# Altium PCB TwoFoot_PCB_m4T1Top2.PcbDoc (part 4 of 9) (continued)
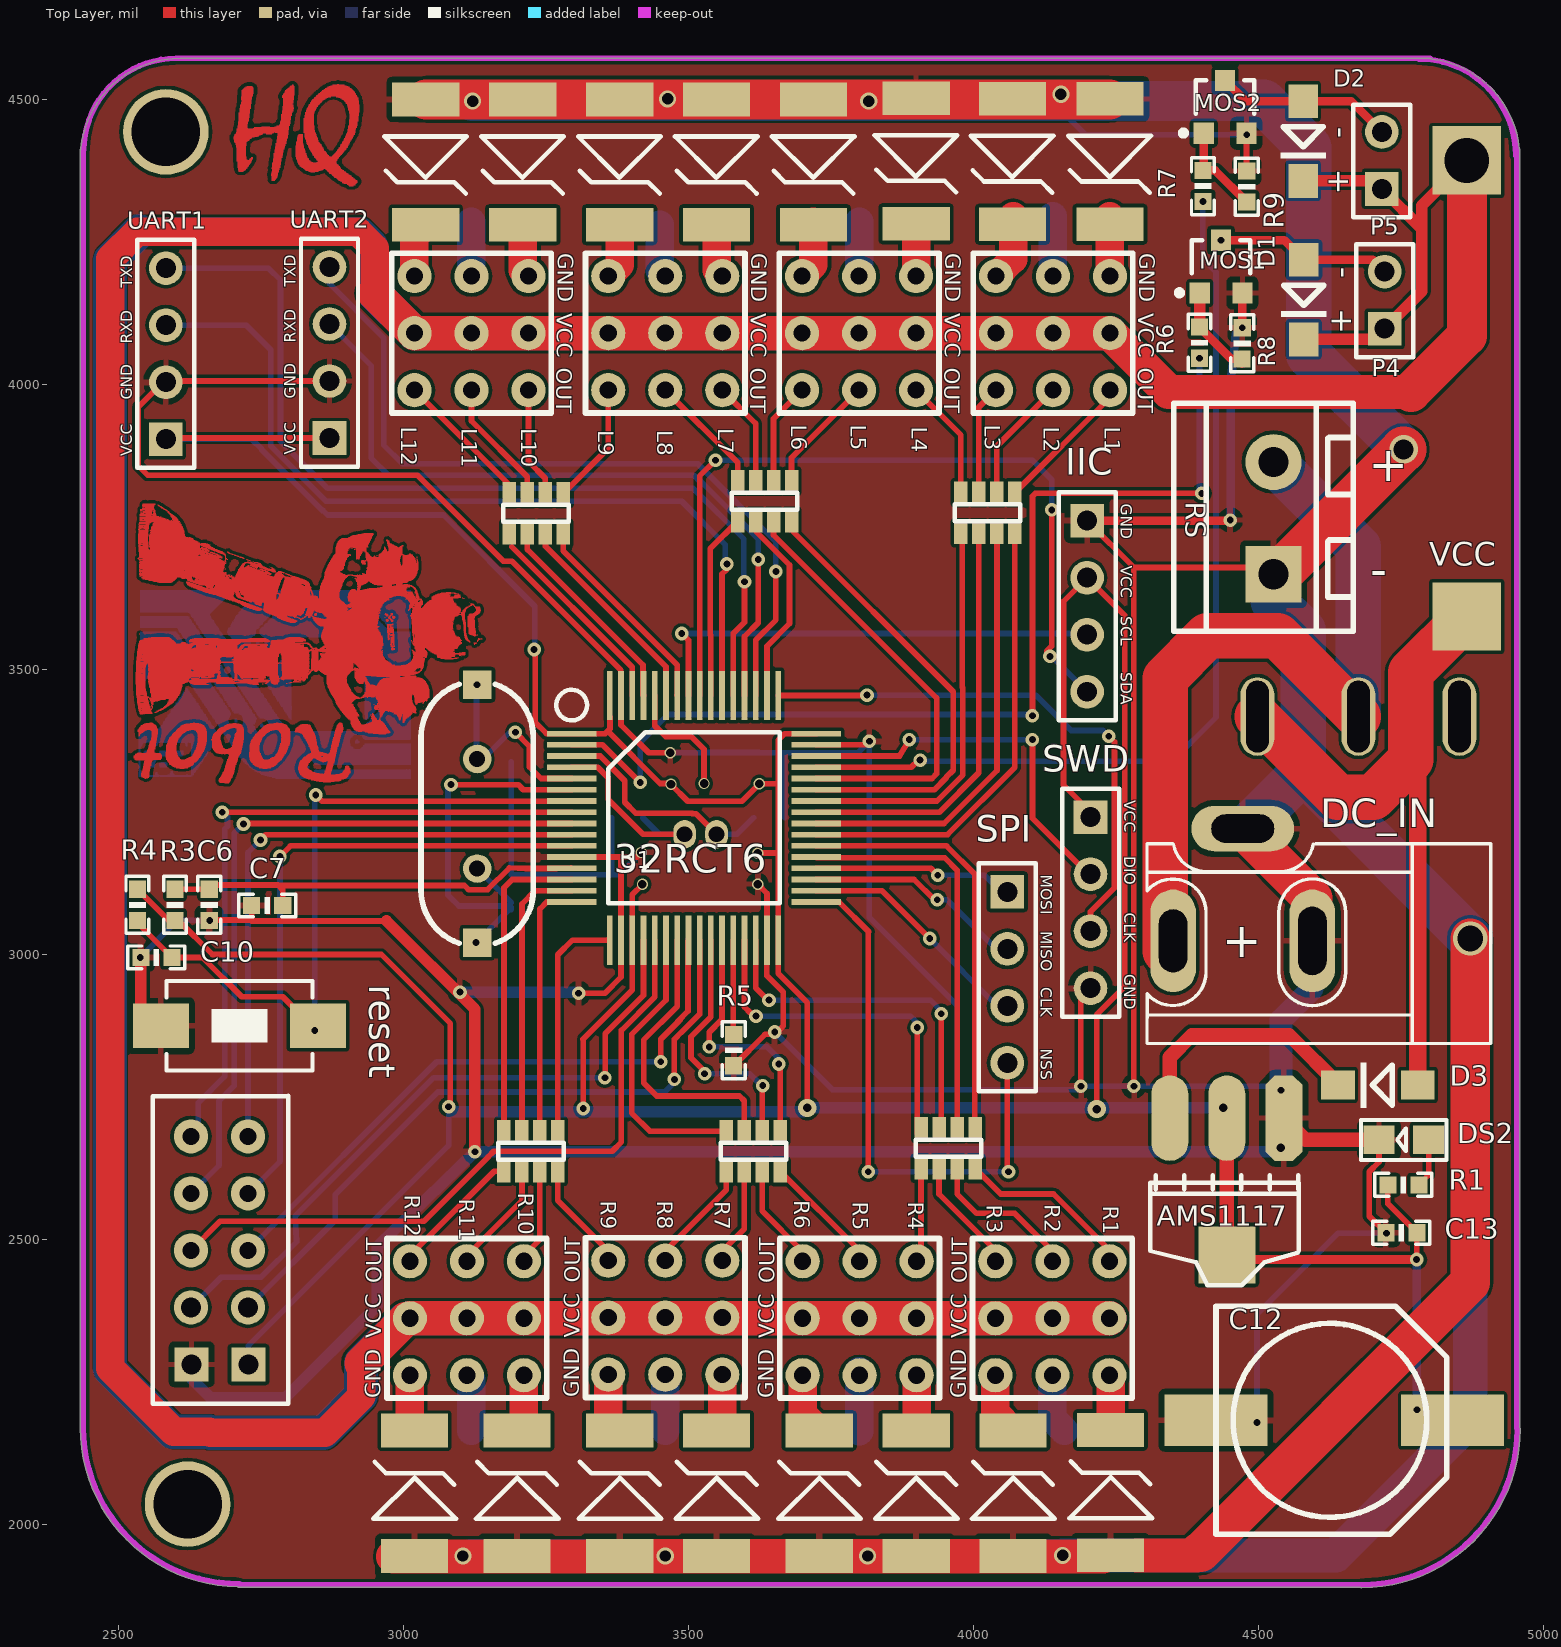
[diagram p0: Top Layer view]
## Nets (pads, with @x,y where several pads share a name; then routed paths per layer and width w, separated by ;. In a path a pad name is that pad's centre, name@x,y a point inside that pad or via, vN(x,y) a via of type N, cw(c..) or ccw(c..) an arc to the next point about the centre after c; other vN are vias at no path point) (continued)
2800.2,3591.2 ; 2800.2,3594.2 2800.2,3662 ; 2800.2,3665.6 2800.2,3666.8 ; 2800.8,3476 2800.8,3476.6 ; 2800.8,3482.6 2800.8,3556.4 ; 2800.8,3582.8 2800.8,3590.6 ; 2800.8,3594.2 2800.8,3600.8 ; 2800.8,3601.4 2800.8,3602 ; 2800.8,3603.2 2800.8,3662 ; 2800.8,3665 2800.8,3666.2 ; 2801.4,3476 2801.4,3476.6 ; 2801.4,3483.2 2801.4,3556.4 ; 2801.4,3582.8 2801.4,3590.6 ; 2801.4,3594.2 2801.4,3601.4 ; 2801.4,3602 2801.4,3662 ; 2801.4,3665 2801.4,3666.2 ; 2802,3476 2802,3476.6 ; 2802,3483.2 2802,3556.4 ; 2802,3582.8 2802,3590 ; 2802,3593.6 2802,3602.6 ; 2802,3603.2 2802,3624.2 ; 2802,3624.8 2802,3661.4 ; 2802,3664.4 2802,3665.6 ; 2802.6,3483.2 2802.6,3556.4 ; 2802.6,3582.8 2802.6,3590 ; 2802.6,3593.6 2802.6,3605 ; 2802.6,3605.6 2802.6,3623.6 ; 2802.6,3624.2 2802.6,3626 ; 2802.6,3626.6 2802.6,3660.8 ; 2802.6,3664.4 2802.6,3665.6 ; 2803.2,3476.6 2803.2,3477.2 ; 2803.2,3483.2 2803.2,3556.4 ; 2803.2,3582.2 2803.2,3590 ; 2803.2,3593.6 2803.2,3605 ; 2803.2,3605.6 2803.2,3660.8 ; 2803.2,3663.8 2803.2,3665 ; 2803.8,3476.6 2803.8,3477.2 ; 2803.8,3483.2 2803.8,3556.4 ; 2803.8,3582.2 2803.8,3589.4 ; 2803.8,3593 2803.8,3605.6 ; 2803.8,3606.8 2803.8,3608 ; 2803.8,3608.6 2803.8,3623 ; 2803.8,3623.6 2803.8,3625.4 ; 2803.8,3626 2803.8,3660.8 ; 2803.8,3663.8 2803.8,3665 ; 2804.4,3476.6 2804.4,3477.2 ; 2804.4,3483.2 2804.4,3556.4 ; 2804.4,3582.2 2804.4,3589.4 ; 2804.4,3593 2804.4,3606.8 ; 2804.4,3608 2804.4,3625.4 ; 2804.4,3626 2804.4,3661.4 ; 2804.4,3663.2 2804.4,3664.4 ; 2805,3476.6 2805,3477.2 ; 2805,3482.6 2805,3556.4 ; 2805,3582.2 2805,3589.4 ; 2805,3593.6 2805,3607.4 ; 2805,3608 2805,3624.8 ; 2805,3625.4 2805,3661.4 ; 2805,3663.2 2805,3664.4 ; 2805.6,3477.2 2805.6,3477.8 ; 2805.6,3483.2 2805.6,3556.4 ; 2805.6,3582.2 2805.6,3588.8 ; 2805.6,3594.2 2805.6,3619.4 ; 2805.6,3620 2805.6,3621.2 ; 2805.6,3621.8 2805.6,3660.8 ; 2805.6,3662.6 2805.6,3664.4 ; 2806.2,3477.2 2806.2,3477.8 ; 2806.2,3483.2 2806.2,3556.4 ; 2806.2,3581.6 2806.2,3582.8 ; 2806.2,3583.4 2806.2,3588.8 ; 2806.2,3593 2806.2,3609.8 ; 2806.2,3610.4 2806.2,3622.4 ; 2806.2,3623 2806.2,3627.2 ; 2806.2,3627.8 2806.2,3660.8 ; 2806.2,3662.6 2806.2,3663.8 ; 2806.8,3477.2 2806.8,3477.8 ; 2806.8,3483.2 2806.8,3556.4 ; 2806.8,3581.6 2806.8,3582.8 ; 2806.8,3583.4 2806.8,3588.2 ; 2806.8,3593 2806.8,3621.8 ; 2806.8,3622.4 2806.8,3660.8 ; 2806.8,3662 2806.8,3663.8 ; 2807.4,3477.2 2807.4,3477.8 ; 2807.4,3483.2 2807.4,3556.4 ; 2807.4,3581.6 2807.4,3588.2 ; 2807.4,3593.6 2807.4,3612.2 ; 2807.4,3612.8 2807.4,3615.8 ; 2807.4,3616.4 2807.4,3620 ; 2807.4,3620.6 2807.4,3621.8 ; 2807.4,3622.4 2807.4,3624.2 ; 2807.4,3624.8 2807.4,3661.4 ; 2807.4,3662 2807.4,3663.8 ; 2808,3477.2 2808,3478.4 ; 2808,3483.2 2808,3548 ; 2808,3548.6 2808,3556.4 ; 2808,3581.6 2808,3588.2 ; 2808,3593.6 2808,3614 ; 2808,3614.6 2808,3624.2 ; 2808,3624.8 2808,3661.4 ; 2808,3662 2808,3663.2 ; 2808.6,3477.2 2808.6,3479 ; 2808.6,3483.2 2808.6,3556.4 ; 2808.6,3581.6 2808.6,3587.6 ; 2808.6,3592.4 2808.6,3615.2 ; 2808.6,3615.8 2808.6,3621.2 ; 2808.6,3621.8 2808.6,3663.2 ; 2809.2,3477.2 2809.2,3479.6 ; 2809.2,3483.2 2809.2,3556.4 ; 2809.2,3582.2 2809.2,3587.6 ; 2809.2,3593 2809.2,3616.4 ; 2809.2,3617 2809.2,3663.2 ; 2809.8,3477.2 2809.8,3480.2 ; 2809.8,3483.2 2809.8,3547.4 ; 2809.8,3548 2809.8,3556.4 ; 2809.8,3582.2 2809.8,3587.6 ; 2809.8,3591.2 2809.8,3591.8 ; 2809.8,3593 2809.8,3617.6 ; 2809.8,3618.2 2809.8,3620.6 ; 2809.8,3621.2 2809.8,3663.2 ; 2810.4,3477.2 2810.4,3482 ; 2810.4,3483.2 2810.4,3486.8 ; 2810.4,3487.4 2810.4,3542 ; 2810.4,3542.6 2810.4,3544.4 ; 2810.4,3545 2810.4,3546.8 ; 2810.4,3548.6 2810.4,3556.4 ; 2810.4,3582.2 2810.4,3583.4 ; 2810.4,3584 2810.4,3587 ; 2810.4,3592.4 2810.4,3663.2 ; 2811,3477.2 2811,3483.2 ; 2811,3483.8 2811,3534.8 ; 2811,3535.4 2811,3540.2 ; 2811,3540.8 2811,3541.4 ; 2811,3542 2811,3546.8 ; 2811,3548.6 2811,3556.4 ; 2811,3582.2 2811,3582.8 ; 2811,3583.4 2811,3587 ; 2811,3591.2 2811,3591.8 ; 2811,3592.4 2811,3620.6 ; 2811,3621.2 2811,3662.6 ; 2811.6,3477.2 2811.6,3539.6 ; 2811.6,3540.2 2811.6,3546.8 ; 2811.6,3548.6 2811.6,3556.4 ; 2811.6,3582.8 2811.6,3586.4 ; 2811.6,3592.4 2811.6,3662.6 ; 2812.2,3477.2 2812.2,3479.6 ; 2812.2,3480.2 2812.2,3485.6 ; 2812.2,3486.8 2812.2,3539 ; 2812.2,3539.6 2812.2,3546.8 ; 2812.2,3548.6 2812.2,3556.4 ; 2812.2,3583.4 2812.2,3586.4 ; 2812.2,3591.8 2812.2,3662.6 ; 2812.8,3477.2 2812.8,3486.2 ; 2812.8,3486.8 2812.8,3533.6 ; 2812.8,3534.2 2812.8,3536 ; 2812.8,3536.6 2812.8,3546.8 ; 2812.8,3549.2 2812.8,3556.4 ; 2812.8,3583.4 2812.8,3586.4 ; 2812.8,3591.8 2812.8,3592.4 ; 2812.8,3593 2812.8,3625.4 ; 2812.8,3626 2812.8,3662.6 ; 2813.4,3477.2 2813.4,3486.2 ; 2813.4,3486.8 2813.4,3544.4 ; 2813.4,3545 2813.4,3546.8 ; 2813.4,3548.6 2813.4,3556.4 ; 2813.4,3584 2813.4,3585.8 ; 2813.4,3591.8 2813.4,3592.4 ; 2813.4,3594.2 2813.4,3628.4 ; 2813.4,3630.2 2813.4,3662 ; 2814,3477.2 2814,3479.6 ; 2814,3480.8 2814,3486.2 ; 2814,3486.8 2814,3527.6 ; 2814,3528.2 2814,3546.8 ; 2814,3548.6 2814,3556.4 ; 2814,3584.6 2814,3585.2 ; 2814,3591.2 2814,3592.4 ; 2814,3596 2814,3662 ; 2814.6,3477.2 2814.6,3479 ; 2814.6,3480.8 2814.6,3485.6 ; 2814.6,3486.8 2814.6,3546.8 ; 2814.6,3548.6 2814.6,3556.4 ; 2814.6,3591.2 2814.6,3591.8 ; 2814.6,3596 2814.6,3632 ; 2814.6,3632.6 2814.6,3662 ; 2815.2,3477.2 2815.2,3478.4 ; 2815.2,3480.8 2815.2,3486.2 ; 2815.2,3486.8 2815.2,3546.8 ; 2815.2,3548.6 2815.2,3556.4 ; 2815.2,3590.6 2815.2,3591.8 ; 2815.2,3596 2815.2,3643.4 ; 2815.2,3644 2815.2,3661.4 ; 2815.8,3477.2 2815.8,3478.4 ; 2815.8,3481.4 2815.8,3486.2 ; 2815.8,3486.8 2815.8,3546.8 ; 2815.8,3548.6 2815.8,3556.4 ; 2815.8,3590.6 2815.8,3591.8 ; 2815.8,3596 2815.8,3636.8 ; 2815.8,3637.4 2815.8,3647 ; 2815.8,3647.6 2815.8,3648.2 ; 2815.8,3648.8 2815.8,3650.6 ; 2815.8,3651.2 2815.8,3661.4 ; 2816.4,3477.2 2816.4,3479 ; 2816.4,3481.4 2816.4,3486.2 ; 2816.4,3486.8 2816.4,3546.8 ; 2816.4,3548.6 2816.4,3556.4 ; 2816.4,3590.6 2816.4,3591.2 ; 2816.4,3595.4 2816.4,3661.4 ; 2817,3477.2 2817,3479.6 ; 2817,3481.4 2817,3486.2 ; 2817,3486.8 2817,3546.8 ; 2817,3548.6 2817,3556.4 ; 2817,3590 2817,3591.2 ; 2817,3595.4 2817,3646.4 ; 2817,3647.6 2817,3660.8 ; 2817.6,3477.2 2817.6,3477.8 ; 2817.6,3479 2817.6,3479.6 ; 2817.6,3480.8 2817.6,3486.2 ; 2817.6,3487.4 2817.6,3543.2 ; 2817.6,3544.4 2817.6,3546.8 ; 2817.6,3548.6 2817.6,3556.4 ; 2817.6,3590 2817.6,3591.2 ; 2817.6,3594.8 2817.6,3655.4 ; 2817.6,3656 2817.6,3660.8 ; 2818.2,3477.2 2818.2,3477.8 ; 2818.2,3479.6 2818.2,3486.2 ; 2818.2,3487.4 2818.2,3492.2 ; 2818.2,3492.8 2818.2,3543.2 ; 2818.2,3544.4 2818.2,3546.8 ; 2818.2,3548.6 2818.2,3556.4 ; 2818.2,3590 2818.2,3590.6 ; 2818.2,3595.4 2818.2,3660.8 ; 2818.8,3477.2 2818.8,3477.8 ; 2818.8,3479.6 2818.8,3486.2 ; 2818.8,3487.4 2818.8,3543.2 ; 2818.8,3545 2818.8,3546.8 ; 2818.8,3548.6 2818.8,3556.4 ; 2818.8,3589.4 2818.8,3590.6 ; 2818.8,3594.8 2818.8,3650 ; 2818.8,3651.8 2818.8,3660.2 ; 2819.4,3477.2 2819.4,3477.8 ; 2819.4,3479.6 2819.4,3486.2 ; 2819.4,3487.4 2819.4,3543.2 ; 2819.4,3545 2819.4,3546.8 ; 2819.4,3548.6 2819.4,3556.4 ; 2819.4,3589.4 2819.4,3590 ; 2819.4,3594.2 2819.4,3650 ; 2819.4,3651.8 2819.4,3660.2 ; 2820,3477.8 2820,3478.4 ; 2820,3480.2 2820,3486.2 ; 2820,3487.4 2820,3543.2 ; 2820,3544.4 2820,3546.8 ; 2820,3548.6 2820,3555.8 ; 2820,3594.2 2820,3650 ; 2820,3651.2 2820,3660.2 ; 2820.6,3477.8 2820.6,3478.4 ; 2820.6,3480.2 2820.6,3486.2 ; 2820.6,3487.4 2820.6,3543.2 ; 2820.6,3545 2820.6,3546.8 ; 2820.6,3548.6 2820.6,3555.8 ; 2820.6,3587.6 2820.6,3588.2 ; 2820.6,3594.2 2820.6,3649.4 ; 2820.6,3651.2 2820.6,3654.8 ; 2820.6,3655.4 2820.6,3659.6 ; 2821.2,3477.8 2821.2,3478.4 ; 2821.2,3480.8 2821.2,3485.6 ; 2821.2,3487.4 2821.2,3543.2 ; 2821.2,3545 2821.2,3546.8 ; 2821.2,3548.6 2821.2,3555.8 ; 2821.2,3587.6 2821.2,3588.2 ; 2821.2,3594.8 2821.2,3642.2 ; 2821.2,3643.4 2821.2,3649.4 ; 2821.2,3651.2 2821.2,3654.8 ; 2821.2,3655.4 2821.2,3659.6 ; 2821.8,3480.8 2821.8,3485.6 ; 2821.8,3488 2821.8,3543.2 ; 2821.8,3545 2821.8,3546.8 ; 2821.8,3548.6 2821.8,3555.8 ; 2821.8,3587.6 2821.8,3588.8 ; 2821.8,3595.4 2821.8,3642.2 ; 2821.8,3643.4 2821.8,3648.8 ; 2821.8,3650.6 2821.8,3654.2 ; 2821.8,3654.8 2821.8,3659.6 ; 2822.4,3481.4 2822.4,3485.6 ; 2822.4,3487.4 2822.4,3543.2 ; 2822.4,3545 2822.4,3546.8 ; 2822.4,3548.6 2822.4,3555.8 ; 2822.4,3588.2 2822.4,3589.4 ; 2822.4,3596 2822.4,3642.2 ; 2822.4,3642.8 2822.4,3648.8 ; 2822.4,3650.6 2822.4,3654.2 ; 2822.4,3654.8 2822.4,3656.6 ; 2822.4,3657.2 2822.4,3659 ; 2823,3481.4 2823,3543.2 ; 2823,3545 2823,3546.8 ; 2823,3548.6 2823,3555.8 ; 2823,3588.2 2823,3589.4 ; 2823,3597.2 2823,3642.2 ; 2823,3643.4 2823,3648.8 ; 2823,3650.6 2823,3656 ; 2823,3657.2 2823,3659 ; 2823.6,3481.4 2823.6,3543.2 ; 2823.6,3545 2823.6,3546.8 ; 2823.6,3548.6 2823.6,3555.8 ; 2823.6,3588.8 2823.6,3590 ; 2823.6,3597.8 2823.6,3642.8 ; 2823.6,3643.4 2823.6,3648.2 ; 2823.6,3650 2823.6,3656 ; 2823.6,3656.6 2823.6,3658.4 ; 2824.2,3481.4 2824.2,3543.2 ; 2824.2,3545 2824.2,3546.8 ; 2824.2,3548.6 2824.2,3555.2 ; 2824.2,3588.8 2824.2,3590.6 ; 2824.2,3597.8 2824.2,3642.8 ; 2824.2,3643.4 2824.2,3647.6 ; 2824.2,3650 2824.2,3654.8 ; 2824.2,3656 2824.2,3657.2 ; 2824.2,3657.8 2824.2,3658.4 ; 2824.8,3479.6 2824.8,3480.2 ; 2824.8,3481.4 2824.8,3543.2 ; 2824.8,3544.4 2824.8,3546.8 ; 2824.8,3549.2 2824.8,3555.2 ; 2824.8,3589.4 2824.8,3590.6 ; 2824.8,3598.4 2824.8,3642.2 ; 2824.8,3642.8 2824.8,3646.4 ; 2824.8,3650 2824.8,3658.4 ; 2825.4,3479 2825.4,3479.6 ; 2825.4,3481.4 2825.4,3543.2 ; 2825.4,3545 2825.4,3546.8 ; 2825.4,3549.2 2825.4,3555.2 ; 2825.4,3590 2825.4,3591.2 ; 2825.4,3599 2825.4,3642.2 ; 2825.4,3642.8 2825.4,3647 ; 2825.4,3649.4 2825.4,3657.8 ; 2826,3479 2826,3480.2 ; 2826,3481.4 2826,3539.6 ; 2826,3545 2826,3546.8 ; 2826,3549.2 2826,3554.6 ; 2826,3590 2826,3591.2 ; 2826,3602.6 2826,3642.2 ; 2826,3642.8 2826,3646.4 ; 2826,3649.4 2826,3657.8 ; 2826.6,3479.6 2826.6,3539 ; 2826.6,3545 2826.6,3546.8 ; 2826.6,3549.2 2826.6,3551.6 ; 2826.6,3552.2 2826.6,3554 ; 2826.6,3590.6 2826.6,3591.2 ; 2826.6,3604.4 2826.6,3641.6 ; 2826.6,3642.2 2826.6,3646.4 ; 2826.6,3649.4 2826.6,3657.2 ; 2827.2,3480.2 2827.2,3539 ; 2827.2,3545 2827.2,3546.8 ; 2827.2,3549.2 2827.2,3553.4 ; 2827.2,3591.2 2827.2,3592.4 ; 2827.2,3604.4 2827.2,3641.6 ; 2827.2,3642.2 2827.2,3646.4 ; 2827.2,3648.8 2827.2,3657.2 ; 2827.8,3480.8 2827.8,3539 ; 2827.8,3545 2827.8,3546.8 ; 2827.8,3549.2 2827.8,3553.4 ; 2827.8,3591.2 2827.8,3592.4 ; 2827.8,3603.2 2827.8,3603.8 ; 2827.8,3605 2827.8,3641 ; 2827.8,3641.6 2827.8,3645.8 ; 2827.8,3648.8 2827.8,3656.6 ; 2828.4,3481.4 2828.4,3539 ; 2828.4,3545 2828.4,3546.8 ; 2828.4,3549.2 2828.4,3552.8 ; 2828.4,3591.8 2828.4,3593 ; 2828.4,3606.8 2828.4,3608 ; 2828.4,3609.2 2828.4,3641 ; 2828.4,3641.6 2828.4,3645.8 ; 2828.4,3648.8 2828.4,3656.6 ; 2829,3482 2829,3539 ; 2829,3545 2829,3546.8 ; 2829,3549.2 2829,3552.2 ; 2829,3591.8 2829,3593.6 ; 2829,3608 2829,3609.2 ; 2829,3610.4 2829,3641 ; 2829,3641.6 2829,3647.6 ; 2829,3648.2 2829,3656.6 ; 2829.6,3483.2 2829.6,3539 ; 2829.6,3545 2829.6,3546.8 ; 2829.6,3549.8 2829.6,3551 ; 2829.6,3592.4 2829.6,3593.6 ; 2829.6,3596 2829.6,3596.6 ; 2829.6,3608.6 2829.6,3609.2 ; 2829.6,3610.4 2829.6,3640.4 ; 2829.6,3641 2829.6,3654.2 ; 2829.6,3654.8 2829.6,3656 ; 2830.2,3484.4 2830.2,3539 ; 2830.2,3545 2830.2,3546.8 ; 2830.2,3593 2830.2,3594.2 ; 2830.2,3595.4 2830.2,3597.8 ; 2830.2,3609.8 2830.2,3611 ; 2830.2,3611.6 2830.2,3614 ; 2830.2,3614.6 2830.2,3640.4 ; 2830.2,3641 2830.2,3653.6 ; 2830.2,3654.2 2830.2,3655.4 ; 2830.8,3484.4 2830.8,3539 ; 2830.8,3545 2830.8,3546.8 ; 2830.8,3593 2830.8,3599.6 ; 2830.8,3608.6 2830.8,3609.8 ; 2830.8,3611.6 2830.8,3612.2 ; 2830.8,3612.8 2830.8,3613.4 ; 2830.8,3615.8 2830.8,3639.8 ; 2830.8,3641 2830.8,3653 ; 2830.8,3654.2 2830.8,3655.4 ; 2831.4,3484.4 2831.4,3539 ; 2831.4,3545 2831.4,3546.8 ; 2831.4,3595.4 2831.4,3601.4 ; 2831.4,3608 2831.4,3608.6 ; 2831.4,3609.8 2831.4,3615.2 ; 2831.4,3616.4 2831.4,3639.8 ; 2831.4,3640.4 2831.4,3654.8 ; 2832,3484.4 2832,3539 ; 2832,3545 2832,3546.8 ; 2832,3595.4 2832,3603.2 ; 2832,3608 2832,3608.6 ; 2832,3609.2 2832,3611 ; 2832,3612.2 2832,3614 ; 2832,3614.6 2832,3639.8 ; 2832,3640.4 2832,3654.8 ; 2832.6,3485 2832.6,3538.4 ; 2832.6,3545 2832.6,3546.8 ; 2832.6,3595.4 2832.6,3605 ; 2832.6,3608.6 2832.6,3609.2 ; 2832.6,3611 2832.6,3619.4 ; 2832.6,3620.6 2832.6,3639.2 ; 2832.6,3639.8 2832.6,3654.2 ; 2833.2,3487.4 2833.2,3492.8 ; 2833.2,3493.4 2833.2,3537.2 ; 2833.2,3544.4 2833.2,3546.8 ; 2833.2,3594.2 2833.2,3606.8 ; 2833.2,3610.4 2833.2,3619.4 ; 2833.2,3621.8 2833.2,3639.2 ; 2833.2,3639.8 2833.2,3653.6 ; 2833.8,3489.8 2833.8,3492.8 ; 2833.8,3494.6 2833.8,3536 ; 2833.8,3544.4 2833.8,3546.8 ; 2833.8,3594.2 2833.8,3608 ; 2833.8,3611.6 2833.8,3615.8 ; 2833.8,3616.4 2833.8,3617.6 ; 2833.8,3618.2 2833.8,3621.8 ; 2833.8,3622.4 2833.8,3638.6 ; 2833.8,3639.8 2833.8,3653.6 ; 2834.4,3490.4 2834.4,3493.4 ; 2834.4,3495.8 2834.4,3534.8 ; 2834.4,3544.4 2834.4,3546.2 ; 2834.4,3594.8 2834.4,3609.8 ; 2834.4,3612.8 2834.4,3638.6 ; 2834.4,3639.2 2834.4,3653 ; 2835,3491 2835,3494 ; 2835,3497 2835,3501.2 ; 2835,3503.6 2835,3508.4 ; 2835,3509.6 2835,3514.4 ; 2835,3516.2 2835,3520.4 ; 2835,3522.2 2835,3527 ; 2835,3529.4 2835,3533.6 ; 2835,3543.8 2835,3546.2 ; 2835,3591.2 2835,3593 ; 2835,3594.2 2835,3611.6 ; 2835,3613.4 2835,3624.8 ; 2835,3627.8 2835,3638 ; 2835,3639.2 2835,3648.8 ; 2835,3649.4 2835,3652.4 ; 2835.6,3491.6 2835.6,3494.6 ; 2835.6,3498.2 2835.6,3501.2 ; 2835.6,3504.2 2835.6,3507.8 ; 2835.6,3510.2 2835.6,3514.4 ; 2835.6,3516.2 2835.6,3520.4 ; 2835.6,3522.8 2835.6,3526.4 ; 2835.6,3530 2835.6,3532.4 ; 2835.6,3543.2 2835.6,3545.6 ; 2835.6,3591.2 2835.6,3593.6 ; 2835.6,3594.2 2835.6,3612.8 ; 2835.6,3615.2 2835.6,3627.2 ; 2835.6,3629 2835.6,3638 ; 2835.6,3638.6 2835.6,3648.8 ; 2835.6,3649.4 2835.6,3651.2 ; 2836.2,3492.2 2836.2,3495.8 ; 2836.2,3509 2836.2,3509.6 ; 2836.2,3531.8 2836.2,3533.6 ; 2836.2,3542.6 2836.2,3545.6 ; 2836.2,3590.6 2836.2,3614.6 ; 2836.2,3616.4 2836.2,3637.4 ; 2836.2,3638.6 2836.2,3645.8 ; 2836.2,3647 2836.2,3650 ; 2836.8,3493.4 2836.8,3496.4 ; 2836.8,3532.4 2836.8,3534.2 ; 2836.8,3541.4 2836.8,3544.4 ; 2836.8,3591.2 2836.8,3616.4 ; 2836.8,3618.2 2836.8,3627.8 ; 2836.8,3629 2836.8,3632 ; 2836.8,3638.6 2836.8,3645.8 ; 2837.4,3494 2837.4,3497 ; 2837.4,3499.4 2837.4,3500 ; 2837.4,3532.4 2837.4,3534.8 ; 2837.4,3540.8 2837.4,3543.8 ; 2837.4,3591.2 2837.4,3618.2 ; 2837.4,3619.4 2837.4,3629 ; 2837.4,3638 2837.4,3645.8 ; 2838,3494.6 2838,3498.2 ; 2838,3533 2838,3534.8 ; 2838,3540.2 2838,3543.2 ; 2838,3593.6 2838,3620 ; 2838,3621.2 2838,3622.4 ; 2838,3623 2838,3629 ; 2838,3638 2838,3645.2 ; 2838.6,3495.8 2838.6,3498.8 ; 2838.6,3533 2838.6,3535.4 ; 2838.6,3539.6 2838.6,3542 ; 2838.6,3593 2838.6,3622.4 ; 2838.6,3623 2838.6,3629.6 ; 2838.6,3637.4 2838.6,3638 ; 2838.6,3638.6 2838.6,3639.2 ; 2838.6,3639.8 2838.6,3640.4 ; 2838.6,3642.2 2838.6,3644.6 ; 2839.2,3496.4 2839.2,3498.8 ; 2839.2,3533 2839.2,3535.4 ; 2839.2,3538.4 2839.2,3541.4 ; 2839.2,3593.6 2839.2,3623.6 ; 2839.2,3624.8 2839.2,3629 ; 2839.2,3635.6 2839.2,3641 ; 2839.8,3497 2839.8,3518.6 ; 2839.8,3533 2839.8,3535.4 ; 2839.8,3537.8 2839.8,3540.8 ; 2839.8,3593 2839.8,3593.6 ; 2839.8,3594.2 2839.8,3625.4 ; 2839.8,3626.6 2839.8,3629 ; 2839.8,3633.8 2839.8,3639.2 ; 2840.4,3497.6 2840.4,3500.6 ; 2840.4,3501.2 2840.4,3512 ; 2840.4,3512.6 2840.4,3518.6 ; 2840.4,3533 2840.4,3534.2 ; 2840.4,3537.2 2840.4,3540.2 ; 2840.4,3594.2 2840.4,3627.2 ; 2840.4,3630.8 2840.4,3637.4 ; 2841,3498.8 2841,3531.8 ; 2841,3532.4 2841,3533.6 ; 2841,3536.6 2841,3539 ; 2841,3596 2841,3635.6 ; 2841.6,3498.2 2841.6,3533.6 ; 2841.6,3535.4 2841.6,3538.4 ; 2841.6,3592.4 2841.6,3593 ; 2841.6,3597.8 2841.6,3634.4 ; 2842.2,3498.8 2842.2,3537.8 ; 2842.2,3590.6 2842.2,3593 ; 2842.2,3599.6 2842.2,3632.6 ; 2842.8,3498.8 2842.8,3533 ; 2842.8,3533.6 2842.8,3534.8 ; 2842.8,3535.4 2842.8,3536 ; 2842.8,3589.4 2842.8,3593 ; 2842.8,3600.8 2842.8,3630.8 ; 2843.4,3498.8 2843.4,3532.4 ; 2843.4,3534.8 2843.4,3536.6 ; 2843.4,3588.2 2843.4,3592.4 ; 2843.4,3602.6 2843.4,3629.6 ; 2844,3498.8 2844,3533 ; 2844,3535.4 2844,3537.2 ; 2844,3587 2844,3592.4 ; 2844,3603.8 2844,3629 ; 2844.6,3498.8 2844.6,3533.6 ; 2844.6,3535.4 2844.6,3537.2 ; 2844.6,3585.8 2844.6,3592.4 ; 2844.6,3604.4 2844.6,3629 ; 2845.2,3498.2 2845.2,3533.6 ; 2845.2,3535.4 2845.2,3537.2 ; 2845.2,3585.2 2845.2,3591.8 ; 2845.2,3594.8 2845.2,3597.2 ; 2845.2,3606.2 2845.2,3629 ; 2845.8,3498.2 2845.8,3533.6 ; 2845.8,3535.4 2845.8,3537.8 ; 2845.8,3584.6 2845.8,3591.8 ; 2845.8,3594.8 2845.8,3597.8 ; 2845.8,3602.6 2845.8,3603.2 ; 2845.8,3604.4 2845.8,3629 ; 2846.4,3496.4 2846.4,3533.6 ; 2846.4,3536 2846.4,3537.8 ; 2846.4,3583.4 2846.4,3591.8 ; 2846.4,3594.2 2846.4,3598.4 ; 2846.4,3602.6 2846.4,3629 ; 2847,3497 2847,3537.8 ; 2847,3582.8 2847,3591.8 ; 2847,3594.2 2847,3598.4 ; 2847,3602 2847,3627.2 ; 2847,3627.8 2847,3629 ; 2847.6,3496.4 2847.6,3537.8 ; 2847.6,3582.2 2847.6,3591.8 ; 2847.6,3594.2 2847.6,3597.8 ; 2847.6,3602 2847.6,3628.4 ; 2848.2,3496.4 2848.2,3537.8 ; 2848.2,3581.6 2848.2,3591.2 ; 2848.2,3594.8 2848.2,3598.4 ; 2848.2,3602 2848.2,3628.4 ; 2848.8,3496.4 2848.8,3537.8 ; 2848.8,3581 2848.8,3591.2 ; 2848.8,3595.4 2848.8,3597.2 ; 2848.8,3601.4 2848.8,3628.4 ; 2849.4,3497 2849.4,3535.4 ; 2849.4,3536.6 2849.4,3537.2 ; 2849.4,3580.4 2849.4,3591.2 ; 2849.4,3600.8 2849.4,3618.2 ; 2849.4,3618.8 2849.4,3628.4 ; 2850,3498.8 2850,3535.4 ; 2850,3579.8 2850,3591.2 ; 2850,3600.2 2850,3625.4 ; 2850,3626 2850,3627.8 ; 2850.6,3498.2 2850.6,3535.4 ; 2850.6,3579.2 2850.6,3590.6 ; 2850.6,3600.2 2850.6,3621.2 ; 2850.6,3621.8 2850.6,3624.8 ; 2851.2,3498.8 2851.2,3500 ; 2851.2,3500.6 2851.2,3501.2 ; 2851.2,3501.8 2851.2,3528.2 ; 2851.2,3528.8 2851.2,3531.2 ; 2851.2,3531.8 2851.2,3535.4 ; 2851.2,3578.6 2851.2,3590.6 ; 2851.2,3600.2 2851.2,3619.4 ; 2851.2,3620 2851.2,3622.4 ; 2851.2,3623.6 2851.2,3624.8 ; 2851.8,3498.8 2851.8,3501.2 ; 2851.8,3503 2851.8,3515.6 ; 2851.8,3531.8 2851.8,3535.4 ; 2851.8,3578.6 2851.8,3590.6 ; 2851.8,3600.2 2851.8,3620.6 ; 2851.8,3621.2 2851.8,3624.2 ; 2852.4,3498.8 2852.4,3499.4 ; 2852.4,3500.6 2852.4,3501.2 ; 2852.4,3501.8 2852.4,3503 ; 2852.4,3507.2 2852.4,3515 ; 2852.4,3531.8 2852.4,3535.4 ; 2852.4,3578 2852.4,3590.6 ; 2852.4,3600.2 2852.4,3615.2 ; 2852.4,3615.8 2852.4,3624.2 ; 2853,3500 2853,3500.6 ; 2853,3501.8 2853,3502.4 ; 2853,3503 2853,3507.8 ; 2853,3508.4 2853,3515 ; 2853,3531.8 2853,3535.4 ; 2853,3577.4 2853,3590 ; 2853,3600.2 2853,3619.4 ; 2853,3620 2853,3623 ; 2853.6,3500 2853.6,3501.2 ; 2853.6,3501.8 2853.6,3503 ; 2853.6,3503.6 2853.6,3505.4 ; 2853.6,3506 2853.6,3515.6 ; 2853.6,3531.8 2853.6,3535.4 ; 2853.6,3577.4 2853.6,3590 ; 2853.6,3599.6 2853.6,3614.6 ; 2853.6,3615.2 2853.6,3619.4 ; 2853.6,3620 2853.6,3623.6 ; 2854.2,3498.2 2854.2,3499.4 ; 2854.2,3500 2854.2,3503.6 ; 2854.2,3504.8 2854.2,3505.4 ; 2854.2,3506 2854.2,3506.6 ; 2854.2,3507.8 2854.2,3516.2 ; 2854.2,3531.8 2854.2,3535.4 ; 2854.2,3576.8 2854.2,3590 ; 2854.2,3599.6 2854.2,3614 ; 2854.2,3614.6 2854.2,3624.2 ; 2854.2,3624.8 2854.2,3626.6 ; 2854.2,3627.2 2854.2,3637.4 ; 2854.8,3497.6 2854.8,3499.4 ; 2854.8,3500 2854.8,3505.4 ; 2854.8,3506 2854.8,3517.4 ; 2854.8,3531.2 2854.8,3536 ; 2854.8,3576.8 2854.8,3579.2 ; 2854.8,3580.4 2854.8,3590 ; 2854.8,3599.6 2854.8,3614 ; 2854.8,3614.6 2854.8,3637.4 ; 2854.8,3638 2854.8,3640.4 ; 2855.4,3497 2855.4,3501.8 ; 2855.4,3502.4 2855.4,3505.4 ; 2855.4,3506.6 2855.4,3518 ; 2855.4,3525.2 2855.4,3528.2 ; 2855.4,3531.2 2855.4,3536.6 ; 2855.4,3576.2 2855.4,3579.2 ; 2855.4,3579.8 2855.4,3590 ; 2855.4,3599.6 2855.4,3623.6 ; 2855.4,3624.2 2855.4,3626 ; 2855.4,3626.6 2855.4,3642.8 ; 2856,3496.4 2856,3518.6 ; 2856,3524.6 2856,3528.2 ; 2856,3531.2 2856,3537.2 ; 2856,3576.2 2856,3578.6 ; 2856,3579.8 2856,3589.4 ; 2856,3599.6 2856,3637.4 ; 2856,3638 2856,3645.8 ; 2856.6,3495.8 2856.6,3506.6 ; 2856.6,3507.2 2856.6,3520.4 ; 2856.6,3524.6 2856.6,3528.8 ; 2856.6,3531.2 2856.6,3537.8 ; 2856.6,3575.6 2856.6,3578.6 ; 2856.6,3579.8 2856.6,3589.4 ; 2856.6,3599.6 2856.6,3647.6 ; 2857.2,3495.2 2857.2,3521 ; 2857.2,3524 2857.2,3528.8 ; 2857.2,3531.2 2857.2,3538.4 ; 2857.2,3575.6 2857.2,3578.6 ; 2857.2,3579.8 2857.2,3588.8 ; 2857.2,3599.6 2857.2,3618.8 ; 2857.2,3619.4 2857.2,3624.2 ; 2857.2,3624.8 2857.2,3626 ; 2857.2,3626.6 2857.2,3639.2 ; 2857.2,3640.4 2857.2,3649.4 ; 2857.8,3495.2 2857.8,3521 ; 2857.8,3522.8 2857.8,3523.4 ; 2857.8,3524.6 2857.8,3528.8 ; 2857.8,3531.2 2857.8,3538.4 ; 2857.8,3554.6 2857.8,3561.2 ; 2857.8,3575.6 2857.8,3578 ; 2857.8,3579.8 2857.8,3588.2 ; 2857.8,3599.6 2857.8,3623.6 ; 2857.8,3624.2 2857.8,3626.6 ; 2857.8,3627.2 2857.8,3651.2 ; 2858.4,3494.6 2858.4,3521.6 ; 2858.4,3523.4 2858.4,3524 ; 2858.4,3524.6 2858.4,3528.2 ; 2858.4,3531.2 2858.4,3533.6 ; 2858.4,3534.2 2858.4,3539 ; 2858.4,3552.2 2858.4,3564.2 ; 2858.4,3575.6 2858.4,3578 ; 2858.4,3578.6 2858.4,3579.2 ; 2858.4,3579.8 2858.4,3587.6 ; 2858.4,3588.2 2858.4,3588.8 ; 2858.4,3599.6 2858.4,3652.4 ; 2859,3494 2859,3522.8 ; 2859,3525.2 2859,3527.6 ; 2859,3530.6 2859,3534.2 ; 2859,3534.8 2859,3539.6 ; 2859,3551 2859,3564.8 ; 2859,3565.4 2859,3566 ; 2859,3575.6 2859,3578 ; 2859,3579.2 2859,3579.8 ; 2859,3580.4 2859,3587.6 ; 2859,3598.4 2859,3654.2 ; 2859.6,3493.4 2859.6,3522.8 ; 2859.6,3530.6 2859.6,3534.8 ; 2859.6,3535.4 2859.6,3540.2 ; 2859.6,3550.4 2859.6,3567.8 ; 2859.6,3575.6 2859.6,3577.4 ; 2859.6,3578 2859.6,3579.8 ; 2859.6,3580.4 2859.6,3587 ; 2859.6,3599.6 2859.6,3655.4 ; 2860.2,3493.4 2860.2,3522.8 ; 2860.2,3523.4 2860.2,3524.6 ; 2860.2,3527 2860.2,3527.6 ; 2860.2,3530.6 2860.2,3535.4 ; 2860.2,3536 2860.2,3540.2 ; 2860.2,3548.6 2860.2,3569 ; 2860.2,3576.2 2860.2,3578 ; 2860.2,3579.2 2860.2,3580.4 ; 2860.2,3581 2860.2,3587 ; 2860.2,3587.6 2860.2,3588.8 ; 2860.2,3597.8 2860.2,3608.6 ; 2860.2,3609.2 2860.2,3651.8 ; 2860.2,3652.4 2860.2,3656.6 ; 2860.8,3492.8 2860.8,3524.6 ; 2860.8,3525.8 2860.8,3526.4 ; 2860.8,3530.6 2860.8,3535.4 ; 2860.8,3536 2860.8,3540.8 ; 2860.8,3547.4 2860.8,3570.2 ; 2860.8,3576.8 2860.8,3578 ; 2860.8,3578.6 2860.8,3580.4 ; 2860.8,3581 2860.8,3586.4 ; 2860.8,3596.6 2860.8,3612.8 ; 2860.8,3613.4 2860.8,3653.6 ; 2860.8,3654.2 2860.8,3657.8 ; 2861.4,3492.2 2861.4,3524 ; 2861.4,3525.2 2861.4,3526.4 ; 2861.4,3530.6 2861.4,3535.4 ; 2861.4,3536.6 2861.4,3541.4 ; 2861.4,3546.2 2861.4,3571.4 ; 2861.4,3575 2861.4,3578 ; 2861.4,3578.6 2861.4,3579.8 ; 2861.4,3580.4 2861.4,3581.6 ; 2861.4,3582.2 2861.4,3588.2 ; 2861.4,3596 2861.4,3608 ; 2861.4,3608.6 2861.4,3652.4 ; 2861.4,3653 2861.4,3659 ; 2862,3492.2 2862,3524 ; 2862,3524.6 2862,3528.2 ; 2862,3530.6 2862,3535.4 ; 2862,3536.6 2862,3541.4 ; 2862,3545 2862,3573.2 ; 2862,3573.8 2862,3582.2 ; 2862,3584 2862,3585.8 ; 2862,3586.4 2862,3588.2 ; 2862,3594.8 2862,3606.8 ; 2862,3607.4 2862,3659.6 ; 2862.6,3491.6 2862.6,3524 ; 2862.6,3524.6 2862.6,3525.8 ; 2862.6,3526.4 2862.6,3527.6 ; 2862.6,3530 2862.6,3535.4 ; 2862.6,3537.2 2862.6,3541.4 ; 2862.6,3544.4 2862.6,3586.4 ; 2862.6,3587 2862.6,3588.2 ; 2862.6,3594.8 2862.6,3659.6 ; 2862.6,3660.2 2862.6,3663.8 ; 2863.2,3491.6 2863.2,3527.6 ; 2863.2,3528.2 2863.2,3528.8 ; 2863.2,3530.6 2863.2,3535.4 ; 2863.2,3537.2 2863.2,3541.4 ; 2863.2,3543.2 2863.2,3576.2 ; 2863.2,3576.8 2863.2,3588.2 ; 2863.2,3592.4 2863.2,3593 ; 2863.2,3594.2 2863.2,3668 ; 2863.8,3491 2863.8,3527.6 ; 2863.8,3528.2 2863.8,3528.8 ; 2863.8,3530 2863.8,3534.8 ; 2863.8,3537.8 2863.8,3541.4 ; 2863.8,3542.6 2863.8,3588.2 ; 2863.8,3593.6 2863.8,3608 ; 2863.8,3608.6 2863.8,3670.4 ; 2864.4,3491 2864.4,3528.8 ; 2864.4,3530 2864.4,3535.4 ; 2864.4,3538.4 2864.4,3587.6 ; 2864.4,3593.6 2864.4,3670.4 ; 2864.4,3671 2864.4,3672.2 ; 2865,3491 2865,3500.6 ; 2865,3501.2 2865,3528.8 ; 2865,3530 2865,3534.8 ; 2865,3536 2865,3536.6 ; 2865,3537.8 2865,3587.6 ; 2865,3593 2865,3673.4 ; 2865.6,3490.4 2865.6,3500.6 ; 2865.6,3501.2 2865.6,3529.4 ; 2865.6,3530 2865.6,3534.8 ; 2865.6,3537.8 2865.6,3539 ; 2865.6,3539.6 2865.6,3587.6 ; 2865.6,3588.2 2865.6,3588.8 ; 2865.6,3593 2865.6,3605 ; 2865.6,3605.6 2865.6,3606.8 ; 2865.6,3607.4 2865.6,3669.2 ; 2865.6,3670.4 2865.6,3675.2 ; 2866.2,3490.4 2866.2,3529.4 ; 2866.2,3530 2866.2,3534.2 ; 2866.2,3534.8 2866.2,3536 ; 2866.2,3536.6 2866.2,3582.8 ; 2866.2,3583.4 2866.2,3588.8 ; 2866.2,3592.4 2866.2,3607.4 ; 2866.2,3608 2866.2,3671.6 ; 2866.2,3672.2 2866.2,3676.4 ; 2866.8,3479 2866.8,3486.2 ; 2866.8,3489.8 2866.8,3533.6 ; 2866.8,3534.2 2866.8,3537.8 ; 2866.8,3538.4 2866.8,3588.8 ; 2866.8,3589.4 2866.8,3590 ; 2866.8,3591.2 2866.8,3591.8 ; 2866.8,3592.4 2866.8,3677.6 ; 2867.4,3475.4 2867.4,3537.2 ; 2867.4,3537.8 2867.4,3590 ; 2867.4,3591.2 2867.4,3591.8 ; 2867.4,3592.4 2867.4,3678.8 ; 2868,3473 2868,3536.6 ; 2868,3537.2 2868,3591.8 ; 2868,3592.4 2868,3680.6 ; 2868.6,3470.6 2868.6,3472.4 ; 2868.6,3473 2868.6,3509 ; 2868.6,3509.6 2868.6,3603.2 ; 2868.6,3603.8 2868.6,3615.8 ; 2868.6,3616.4 2868.6,3681.8 ; 2869.2,3468.8 2869.2,3530.6 ; 2869.2,3531.2 2869.2,3601.4 ; 2869.2,3602.6 2869.2,3619.4 ; 2869.2,3620 2869.2,3641.6 ; 2869.2,3642.2 2869.2,3683 ; 2869.8,3467.6 2869.8,3588.2 ; 2869.8,3588.8 2869.8,3680.6 ; 2869.8,3681.2 2869.8,3684.2 ; 2870.4,3465.8 2870.4,3468.2 ; 2870.4,3468.8 2870.4,3603.2 ; 2870.4,3603.8 2870.4,3614 ; 2870.4,3614.6 2870.4,3617.6 ; 2870.4,3618.2 2870.4,3621.8 ; 2870.4,3622.4 2870.4,3646.4 ; 2870.4,3647 2870.4,3681.8 ; 2870.4,3682.4 2870.4,3685.4 ; 2871,3464.6 2871,3466.4 ; 2871,3467 2871,3493.4 ; 2871,3494 2871,3649.4 ; 2871,3650.6 2871,3686.6 ; 2871.6,3463.4 2871.6,3492.2 ; 2871.6,3492.8 2871.6,3600.8 ; 2871.6,3601.4 2871.6,3602.6 ; 2871.6,3603.2 2871.6,3651.2 ; 2871.6,3651.8 2871.6,3653 ; 2871.6,3653.6 2871.6,3683 ; 2871.6,3683.6 2871.6,3687.8 ; 2872.2,3462.2 2872.2,3496.4 ; 2872.2,3497 2872.2,3540.8 ; 2872.2,3541.4 2872.2,3600.2 ; 2872.2,3600.8 2872.2,3616.4 ; 2872.2,3617 2872.2,3648.8 ; 2872.2,3649.4 2872.2,3684.2 ; 2872.2,3684.8 2872.2,3688.4 ; 2872.8,3461 2872.8,3522.8 ; 2872.8,3523.4 2872.8,3593.6 ; 2872.8,3594.2 2872.8,3654.8 ; 2872.8,3655.4 2872.8,3690.2 ; 2873.4,3459.8 2873.4,3657.8 ; 2873.4,3659 2873.4,3690.8 ; 2874,3458.6 2874,3461 ; 2874,3461.6 2874,3527.6 ; 2874,3528.2 2874,3612.8 ; 2874,3613.4 2874,3663.2 ; 2874,3663.8 2874,3668 ; 2874,3669.2 2874,3692 ; 2874.6,3457.4 2874.6,3458.6 ; 2874.6,3459.2 2874.6,3526.4 ; 2874.6,3527 2874.6,3611.6 ; 2874.6,3612.2 2874.6,3692.6 ; 2875.2,3456.8 2875.2,3692 ; 2875.2,3692.6 2875.2,3693.8 ; 2875.8,3455.6 2875.8,3456.8 ; 2875.8,3457.4 2875.8,3657.2 ; 2875.8,3657.8 2875.8,3693.2 ; 2875.8,3693.8 2875.8,3695 ; 2876.4,3455 2876.4,3455.6 ; 2876.4,3456.8 2876.4,3597.8 ; 2876.4,3598.4 2876.4,3655.4 ; 2876.4,3656 2876.4,3662.6 ; 2876.4,3663.2 2876.4,3680 ; 2876.4,3680.6 2876.4,3690.8 ; 2876.4,3691.4 2876.4,3692.6 ; 2876.4,3693.2 2876.4,3695.6 ; 2877,3453.8 2877,3458 ; 2877,3458.6 2877,3655.4 ; 2877,3656 2877,3657.8 ; 2877,3658.4 2877,3696.2 ; 2877.6,3453.2 2877.6,3454.4 ; 2877.6,3455 2877.6,3695.6 ; 2877.6,3696.2 2877.6,3697.4 ; 2878.2,3452.6 2878.2,3599.6 ; 2878.2,3600.2 2878.2,3603.8 ; 2878.2,3604.4 2878.2,3606.8 ; 2878.2,3607.4 2878.2,3698.6 ; 2878.8,3451.4 2878.8,3600.8 ; 2878.8,3601.4 2878.8,3696.8 ; 2878.8,3697.4 2878.8,3699.2 ; 2879.4,3450.8 2879.4,3700.4 ; 2880,3450.2 2880,3453.8 ; 2880,3454.4 2880,3701 ; 2880.6,3448.4 2880.6,3452.6 ; 2880.6,3453.8 2880.6,3531.2 ; 2880.6,3531.8 2880.6,3600.8 ; 2880.6,3601.4 2880.6,3603.2 ; 2880.6,3603.8 2880.6,3701.6 ; 2881.2,3447.2 2881.2,3450.8 ; 2881.2,3451.4 2881.2,3452 ; 2881.2,3452.6 2881.2,3599.6 ; 2881.2,3600.2 2881.2,3690.8 ; 2881.2,3691.4 2881.2,3700.4 ; 2881.2,3701.6 2881.2,3702.2 ; 2881.8,3445.4 2881.8,3597.2 ; 2881.8,3597.8 2881.8,3701.6 ; 2881.8,3702.2 2881.8,3702.8 ; 2882.4,3443.6 2882.4,3444.8 ; 2882.4,3445.4 2882.4,3702.2 ; 2882.4,3702.8 2882.4,3704 ; 2882.4,3706.4 2882.4,3707 ; 2882.4,3708.8 2882.4,3709.4 ; 2883,3441.8 2883,3496.4 ; 2883,3497 2883,3704 ; 2883,3704.6 2883,3714.8 ; 2883.6,3440 2883.6,3440.6 ; 2883.6,3441.2 2883.6,3493.4 ; 2883.6,3494 2883.6,3497.6 ; 2883.6,3498.2 2883.6,3500.6 ; 2883.6,3501.2 2883.6,3513.2 ; 2883.6,3513.8 2883.6,3702.8 ; 2883.6,3703.4 2883.6,3717.2 ; 2884.2,3439.4 2884.2,3440 ; 2884.2,3440.6 2884.2,3502.4 ; 2884.2,3503 2884.2,3513.2 ; 2884.2,3513.8 2884.2,3719 ; 2884.8,3438.2 2884.8,3720.8 ; 2885.4,3437 2885.4,3498.8 ; 2885.4,3499.4 2885.4,3513.8 ; 2885.4,3514.4 2885.4,3713.6 ; 2885.4,3714.2 2885.4,3721.4 ; 2886,3436.4 2886,3722.6